# KiCad board d-lev-io.kicad_pcb (continued)
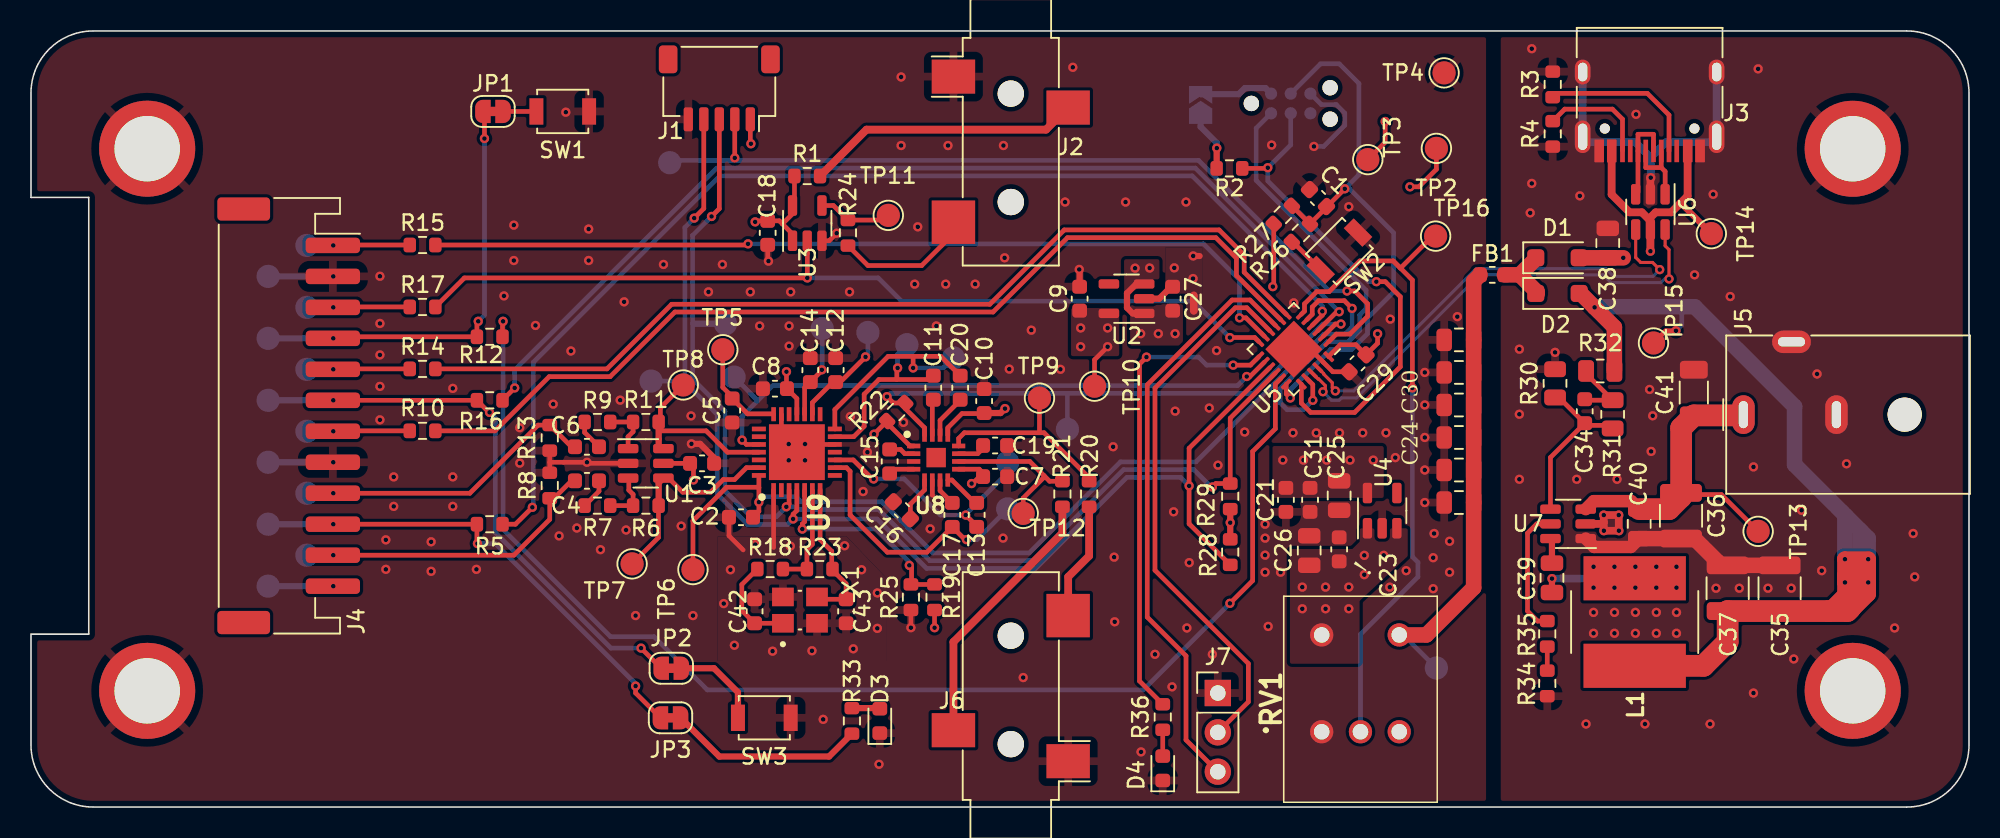
[diagram p0: board, top side]
## Footprints (pads in the part's own frame, mm; a bottom-side part is the same pattern mirrored in y, then rotated)
BarrelJack_CUI_PJ-059A
  round 2.2 hole 2.2 unplated: (0,-10.4)
  oval 2.5x1.45 hole 1.75x0.6: 1(0,0) 2(0,-6)
  oval 1.45x2.5 hole 0.6x1.75: 3(4.7,-3.1)
C_0603_1608Metric
  rrect 0.9x0.95 smd: 1(-0.775,0) 2(0.775,0)
C_0805_2012Metric
  rrect 1x1.45 smd: 1(-0.95,0) 2(0.95,0)
C_1206_3216Metric
  rrect 1.15x1.8 smd: 1(-1.475,0) 2(1.475,0)
C_1210_3225Metric
  rrect 1.15x2.7 smd: 1(-1.475,0) 2(1.475,0)
D_SOD-123F
  rrect 1.1x1.1 smd: 1(-1.4,0) 2(1.4,0)
Jack_3.5mm_CUI_SJ-3523-SMT_Horizontal
  round 1.7 hole 1.7 unplated: (0,2.5) (0,-4.5)
  rect 2.8x2.2 smd: R(3.7,1.6) S(-3.7,3.6)
  rect 2.8x2.8 smd: T(-3.7,-5.8)
JST_PH_S12B-PH-SM4-TB_1x12-1MP_P2.00mm_Horizontal
  rrect 1x3.5 smd: 1(-11,2.85) 2(-9,2.85) 3(-7,2.85) 4(-5,2.85) 5(-3,2.85) 6(-1,2.85) 7(1,2.85) 8(3,2.85) 9(5,2.85) 10(7,2.85) 11(9,2.85) 12(11,2.85)
  rrect 1.5x3.4 smd: MP1(-13.35,-2.9) MP2(13.35,-2.9)
JST_SH_SM05B-SRSS-TB_1x05-1MP_P1.00mm_Horizontal
  rrect 0.6x1.55 smd: 1(-2,2) 2(-1,2) 3(0,2) 4(1,2) 5(2,2)
  rrect 1.2x1.8 smd: MP(-3.3,-1.875) MP(3.3,-1.875)
L_0603_1608Metric
  rrect 0.875x0.95 smd: 1(-0.787,0) 2(0.787,0)
L_Bourns_SRN8040TA
  rect 2.85x6.6 smd: 1(-2.825,0) 2(2.825,0)
LED_0603_1608Metric
  rrect 0.875x0.95 smd: 1(-0.787,0) 2(0.787,0)
NetTie-2_SMD_Pad0.5mm
  round 0.5 smd: 1(-0.5,0) 2(0.5,0)
PinHeader_1x03_P2.54mm_Vertical
  rect 1.7x1.7 hole 1: 1(0,0)
  oval 1.7x1.7 hole 1: 2(0,-2.54) 3(0,-5.08)
QFN50P300X300X80-17N
  rect 0.85x0.3 smd: 1(-1.45,0.75) 2(-1.45,0.25) 3(-1.45,-0.25) 4(-1.45,-0.75) 9(1.45,-0.75) 10(1.45,-0.25) 11(1.45,0.25) 12(1.45,0.75)
  rect 0.3x0.85 smd: 5(-0.75,-1.45) 6(-0.25,-1.45) 7(0.25,-1.45) 8(0.75,-1.45) 13(0.75,1.45) 14(0.25,1.45) 15(-0.25,1.45) 16(-0.75,1.45)
  rect 1.25x1.25 smd: 17(0,0)
QFN50P500X500X90-29N-D
  rrect 0.9x0.9 smd: (-1.12,1.12) (-1.12,0) (-1.12,-1.12) (0,1.12) (0,0) (0,-1.12) (1.12,1.12) (1.12,0) (1.12,-1.12)
  rect 0.9x0.3 smd: 1(-2.45,1.5) 2(-2.45,1) 3(-2.45,0.5) 4(-2.45,0) 5(-2.45,-0.5) 6(-2.45,-1) 7(-2.45,-1.5) 15(2.45,-1.5) 16(2.45,-1) 17(2.45,-0.5) 18(2.45,0) 19(2.45,0.5) 20(2.45,1) 21(2.45,1.5)
  rect 0.3x0.9 smd: 8(-1.5,-2.45) 9(-1,-2.45) 10(-0.5,-2.45) 11(0,-2.45) 12(0.5,-2.45) 13(1,-2.45) 14(1.5,-2.45) 22(1.5,2.45) 23(1,2.45) 24(0.5,2.45) 25(0,2.45) 26(-0.5,2.45) 27(-1,2.45) 28(-1.5,2.45)
  rect 3.6x3.6 smd: 29(0,0)
QFN-24-1EP_4x4mm_P0.5mm_EP2.6x2.6mm
  rrect 1.05x1.05 smd: (-0.65,0.65) (-0.65,-0.65) (0.65,0.65) (0.65,-0.65)
  rrect 0.825x0.25 smd: 1(-1.938,1.25) 2(-1.937,0.75) 3(-1.938,0.25) 4(-1.938,-0.25) 5(-1.937,-0.75) 6(-1.938,-1.25) 13(1.938,-1.25) 14(1.937,-0.75) 15(1.938,-0.25) 16(1.938,0.25) 17(1.937,0.75) 18(1.938,1.25)
  rrect 0.25x0.825 smd: 7(-1.25,-1.938) 8(-0.75,-1.937) 9(-0.25,-1.938) 10(0.25,-1.938) 11(0.75,-1.937) 12(1.25,-1.938) 19(1.25,1.938) 20(0.75,1.937) 21(0.25,1.938) 22(-0.25,1.938) 23(-0.75,1.937) 24(-1.25,1.938)
  rect 2.6x2.6 smd: 25(0,0)
R_0603_1608Metric
  rrect 0.8x0.95 smd: 1(-0.825,0) 2(0.825,0)
R_0805_2012Metric
  rrect 1.025x1.4 smd: 1(-0.912,0) 2(0.912,0)
RK09711110EL
  round 1.5 hole 1: 1(0,0) 2(0,2.5) 3(0,5) 4(-6.25,0) 5(-6.25,5)
SMTSO-M3
  round 6.2 hole 4.22: 1(0,0)
SolderJumper-2_P1.3mm_Bridged_RoundedPad1.0x1.5mm
  custom 1x1.5 smd: 1(-0.65,0) 2(0.65,0)
SolderJumper-2_P1.3mm_Open_TrianglePad1.0x1.5mm
  custom 1.5x1.5 smd: 1(-0.725,0)
  custom 1.15x1.5 smd: 2(0.725,0)
SOT-23-5
  rrect 1.325x0.6 smd: 1(-1.137,0.95) 2(-1.137,0) 3(-1.137,-0.95) 4(1.137,-0.95) 5(1.137,0.95)
SOT-23-6
  rrect 1.325x0.6 smd: 1(-1.137,0.95) 2(-1.137,0) 3(-1.137,-0.95) 4(1.137,-0.95) 5(1.137,0) 6(1.137,0.95)
SW_SPST_B3U-1000P
  rect 0.9x1.7 smd: 1(-1.7,0) 2(1.7,0)
Tag-Connect_TC2030-IDC-NL_2x03_P1.27mm_Vertical
  round 0.991 hole 0.991 unplated: (-2.54,0) (2.54,-1.016) (2.54,1.016)
  round 0.787 smd: 1(-1.27,-0.635) 2(-1.27,0.635) 3(0,-0.635) 4(0,0.635) 5(1.27,-0.635) 6(1.27,0.635)
TestPoint_Pad_D1.5mm
  round 1.5 smd: 1(0,0)
USB_C_Receptacle_HRO_TYPE-C-31-M-12
  round 0.65 hole 0.65 unplated: (-2.89,2.6) (2.89,2.6)
  rect 0.6x1.45 smd: A1(-3.25,4.045) A4(-2.45,4.045) A9(2.45,4.045) A12(3.25,4.045) B1(3.25,4.045) B4(2.45,4.045) B9(-2.45,4.045) B12(-3.25,4.045)
  rect 0.3x1.45 smd: A5(-1.25,4.045) A6(-0.25,4.045) A7(0.25,4.045) A8(1.25,4.045) B5(1.75,4.045) B6(0.75,4.045) B7(-0.75,4.045) B8(-1.75,4.045)
  oval 1x2.1 hole 0.6x1.7: S1(-4.32,3.13) S1(4.32,3.13)
  oval 1x1.6 hole 0.6x1.2: S1(-4.32,-1.05) S1(4.32,-1.05)
XTAL_7M-50.000MAAJ-T
  rect 1.2x1.4 smd: 1(-0.85,1.1) 2(-0.85,-1.1) 3(0.85,-1.1) 4(0.85,1.1)

## Nets
+3.3VA: C3.2 C7.1 C8.2 C9.2 C10.1 R19.1 R22.2 TP10.1 U1.5 U2.5 U8.1 U8.9 U8.13 U9.18
+3V3: C21.2 C25.2 C29.2 C31.2 JP4.1 R2.1 R27.1 R28.2 R29.2 RV1.3 TP2.1 U4.5 U5.24
+12V: C36.1 C40.1 C41.1 J5.1 TP13.1 U7.3
GND: C1.1 C2.1 C3.1 C5.2 C7.2 C8.1 C9.1 C10.2 C12.1 C14.1 C16.1 C18.1 C19.2 C21.1 C22.1 C23.1 C24.1 C25.1 C26.1 C27.1 C28.1 C29.1 C30.1 C31.1 C32.1 C33.1 C35.2 C36.2 C37.2 C38.1 C40.2 C41.2 C42.2 C43.2 D3.1 D4.1 H1.1 H2.1 H3.1 H4.1 J1.5 J2.S J3.A1 J3.A12 J3.B1 J3.B12 J3.S1 J4.2 J4.8 J5.2 J5.3 J6.S J7.1 J8.5 NT1.1 NT1.2 R3.1 R4.1 R8.2 R13.2 R25.1 R30.2 R34.2 RV1.1 SW1.1 SW2.1 SW3.1 TP4.1 TP35.1 TP36.1 U1.2 U2.2 U3.3 U4.2 U5.23 U5.25 U6.2 U7.1 U8.3 U8.6 U9.1 U9.12 U9.20 U9.29 X1.2 X1.4
VBUS: C38.2 D1.2 J3.A4 J3.A9 J3.B4 J3.B9 TP14.1 U6.5
VDD: C18.2 C23.2 C26.2 C27.2 J1.1 J4.12 R1.1 RV1.4 TP3.1 TP32.1 U2.1 U2.3 U3.1 U3.5 U4.1 U4.3
/Buck/VOUT: C35.1 C37.1 D2.2 L1.2 R32.1 TP15.1
/DAC/DAC.XI: C43.1 R23.1 U9.7 X1.3
/DAC/DAC.XO: R18.2 R23.2 U9.6
/DAC/DAC_1V2: C5.1 TP5.1 U9.21
/DAC/DAC_GPIO: TP26.1 U5.14 U9.24
/DAC/DAC_RESET: C2.2 TP6.1 U5.5 U9.28
/DAC/HPA_SHDN: R22.1 TP21.1 U5.2 U8.16
/DAC/IN_BAL.L+: C11.2 U8.15
/DAC/IN_BAL.L-: C20.2 U8.14
/DAC/IN_BAL.R+: C17.2 U8.7
/DAC/IN_BAL.R-: C13.2 U8.8
/DAC/OUT_BAL.L+: C11.1 TP19.1 U9.13
/DAC/OUT_BAL.L-: C20.1 TP20.1 U9.14
/DAC/OUT_BAL.R+: C17.1 TP18.1 U9.9
/DAC/OUT_BAL.R-: C13.1 TP17.1 U9.10
/DAC/OUT_SE_L: R20.2 TP9.1 U8.12
/DAC/OUT_SE_R: R21.2 TP12.1 U8.10
/DAC/SCL: J1.3 R29.1 TP25.1 U5.16 U9.3
/DAC/SDA: J1.4 R28.1 TP24.1 U5.15 U9.4
/DAC/SPDIF1: R11.2 TP8.1 U1.6 U9.25
/DAC/SPDIF2: R6.2 TP7.1 U1.4 U9.27
/SAMD11/CV_EN: J1.2 TP1.1 U5.1
/SAMD11/JTAG.SWCLK: J8.4 R2.2 U5.19
/SAMD11/JTAG.SWDIO: J8.2 U5.20
/SAMD11/PTC_X2Y8: J7.3 U5.9
/SAMD11/PTC_X3Y9: J7.2 U5.10
/SAMD11/STATUS_LED: R36.2 U5.13
/SAMD11/USB.DN: U5.21 U6.6
/SAMD11/USB.DP: U5.22 U6.4
/SAMD11/VOLUME_POT: RV1.2 TP16.1 U5.6
/SAMD11/~{RST}: C1.2 J8.3 R26.1 R27.2 U5.18
/UINN: J3.A7 J3.B7 U6.1
/UINP: J3.A6 J3.B6 U6.3
acal_btn: J4.4 JP1.1 R12.2 TP34.1
midi_from_fpga_3v: R17.2 U3.2 U5.12
midi_to_fpga_3v: R15.2 U5.11
mute_btn: J4.6 JP2.1 R16.2 TP30.1
mute_led: J4.10 JP3.1 R5.2 TP29.1
spdif_line: C6.2 J4.9 R13.1 TP27.1
spdif_mon: C4.2 J4.11 R8.1 TP33.1
SWITCH_LOW: C22.2 C24.2 C28.2 C30.2 C32.2 C33.2 FB1.2 RV1.5 TP39.1
uart_rx_3v: R10.2 U5.8
uart_tx_3v: R14.2 U5.7
Net-(C4-Pad1): C4.1 R7.2
Net-(C6-Pad1): C6.1 R9.2
Net-(C34-Pad1): C34.1 R31.1 R32.2
Net-(C42-Pad1): C42.1 R18.1 X1.1
Net-(D1-K): D1.1 D2.1 FB1.1
Net-(D3-A): D3.2 R33.1
Net-(D4-A): D4.2 R36.1
Net-(J2-PadR): J2.R R1.2
Net-(J2-PadT): J2.T R24.2
Net-(J3-CC1): J3.A5 R3.2
Net-(J3-CC2): J3.B5 R4.2
Net-(J4-Pin_1): J4.1 R15.1 TP37.1
Net-(J4-Pin_3): J4.3 R17.1 TP28.1
Net-(J4-Pin_5): J4.5 R14.1 TP31.1
Net-(J4-Pin_7): J4.7 R10.1 TP38.1
Net-(J6-PadR): J6.R R21.1
Net-(J6-PadT): J6.T R20.1
Net-(J8-Pin_1): J8.1 JP4.2
Net-(JP1-B): JP1.2 SW1.2
Net-(JP2-B): JP2.2 SW3.2
Net-(JP3-B): JP3.2 R33.2
Net-(R6-Pad1): R6.1 R7.1 U1.3
Net-(R11-Pad1): R9.1 R11.1 U1.1
Net-(R24-Pad1): R24.1 TP11.1 U3.4
Net-(R26-Pad2): R26.2 SW2.2
Net-(R34-Pad1): R34.1 R35.2
Net-(U5-PA04): R16.1 U5.3
Net-(U5-PA05): R5.1 U5.4
Net-(U5-PA27): R12.1 U5.17
Net-(U7-BOOT): C39.1 U7.6
Net-(U7-EN): R35.1 U7.5
Net-(U7-FB): C34.2 R30.1 R31.2 U7.4
Net-(U7-SW): C39.2 L1.1 U7.2
Net-(U8-BIAS): C19.1 U8.11
Net-(U8-C1N): C15.2 U8.4
Net-(U8-C1P): C15.1 U8.2
Net-(U8-PVSS): C16.2 U8.5
Net-(U9-ADDR): R19.2 R25.2 U9.5
Net-(U9-VREF): C12.2 TP23.1 U9.16
Net-(U9-VREG): C14.2 TP22.1 U9.17

Pads without a net: J1 MP; J3 A8 B8; J4 MP1 MP2; J8 6; U2 4; U4 4; U8 17; U9 2 8 11 15 19 22 23 26

## Via types
v1: diameter 0.6, hole 0.3, Top to Bottom, 310 vias

## Routing (per net, layer and track width the routed paths; a pad name or vN(x,y) marks a point on that pad's centre or on a via; arc(x,y) is an arc through that point)
+3.3VA: length 20.4
  Top w0.3: C3.2 U1.5 ; v1(60.66,20.88) 60.73,20.88 61.41,21.56 61.16,21.81 59.83,21.81 ; TP10.1 68.6,28.88 v1(69.44,29.72) ; R19.1 v1(58.28,11.58) ; 42.73,21.97 v1(42.73,21.12) ; 55.21,24.92 v1(54.37,24.07) ; U9.18 49.4,26.37 C8.2 ; 61.41,25.4 60.04,25.4 59.13,24.49 59.13,24.01 ; 48.72,27.04 v1(48.72,28.11) ; 56.93,23.31 56.69,23.31 55.21,24.79
  Top w0.4: C10.1 62.53,25.44 v1(62.82,25.72)
  vias: v1(67.7,30.93) v1(67.7,29.72) v1(69.44,30.93)
+3V3: length 32.2
  Top w0.3: v1(88.94,40.04) 89.51,40.04 90.64,41.17 TP2.1 ; v1(86.85,30.55) 86.85,29.95 C29.2 85.45,29.85 84.44,29.85 83.7,29.11 U5.24 ; R27.1 80.15,33.66 v1(80.09,33.6)
  Top w0.4: R2.1 76.47,42.54 v1(76.48,42.54) ; R28.2 v1(77.35,18.36) 77.35,19.23
  In2.Cu w0.3: RV1.3 89.49,6.11 89.49,18.5
  Bottom w0.4: JP4.1 75.44,43.92 76.48,42.88 v1(76.48,42.54)
  vias: v1(80.74,22.4) v1(82.07,22.4) v1(83.57,22.4) v1(85.07,22.4) v1(86.57,22.4)
+12V: length 21.6
  Top w0.3: 106.55,20.17 109.02,20.17 TP13.1
  Top w0.8: C40.1 103.21,19.75 100.79,19.75 U7.3
  Top w1.4: C40.1 105.64,19.23 106.42,20.01 C36.1 106.43,20.29 106.43,24.47 C41.1 110.4,25.28 J5.1
GND: length 80
  Top w0.3: 47.9,16.76 U9.1 ; C18.1 47.51,35.3 v1(47.56,35.25) ; 33.46,22.26 v1(35.86,22.26) 35.93,22.19 U1.2 ; 33.46,22.26 R13.2 ; 33.46,22.26 R8.2 ; 82.51,29.56 U5.23 83.96,28.1 C29.1 ; 58.14,20.14 58.13,20.15 58.13,21.11 ; R25.1 v1(56.75,11.58) ; U9.12 49.9,23.41 ; U3.3 51.48,36.56 v1(51.96,37.05) ; C2.1 45.02,17.51 45.93,16.6 ; U9.20 48.4,23.91
  Top w0.4: U2.2 72.77,32.82 73.54,33.6 ; C3.1 44.06,22.55 43.15,23.45 v1(42.6,23.45) ; 75.37,35.57 74.97,35.57 ; v1(67.61,34.71) 67.63,34.68 C9.1
  Top w0.5: v1(104.47,40.64) 104.45,40.61 U6.2
  Top w0.8: C40.2 103.19,16.79 100.81,16.79 U7.1 ; 73.54,33.6 C27.1
  Top w1: C40.2 C36.2 107.29,17.33 108.77,15.85 108.77,15.6 ; C35.2 C37.2
  In1.Cu w1.4: 95.54,34.36 93.04,34.36
  Bottom w0.3: J8.5 83.22,45.35 84.18,45.35 84.73,44.8 84.73,44.02 83.37,42.65 v1(82.74,42.65)
  Bottom w0.4: TP35.1 v1(19.5,34.26) ; TP36.1 v1(19.5,22.26)
  Bottom w0.5: 104.47,41.93 103.47,42.93 100.42,42.93 J3.S1 J3.S1 ; 104.47,41.93 v1(104.47,40.64) ; 104.47,41.93 105.47,42.93 108.37,42.93 J3.S1 J3.S1
  vias: v1(22.5,34.27) v1(22.5,31.22) v1(22.5,29.19) v1(22.5,27.16) v1(22.5,25) v1(22.89,17.25) v1(22.89,15.35) v1(23.39,21.31) v1(23.39,19.41) v1(25.81,17.12) v1(25.81,15.22) v1(27.2,27.03) v1(27.2,21.31) v1(27.2,19.41) v1(28.73,15.35) v1(30.51,33) v1(31.14,37.57) v1(31.14,35.28) v1(31.52,24.49) v1(31.52,22.2) v1(32.54,31.09) v1(33.68,26.01) v1(34.06,17.5) v1(34.49,44.86) v1(34.82,29.44) v1(35.2,18.01) v1(35.97,37.32) v1(35.97,35.28) v1(36.73,16.62) v1(38,26.27) v1(38.25,32.62) v1(38.38,17.89) v1(38.99,12.36) v1(40.79,35.03) v1(41.94,18.14) v1(42.57,25.25) v1(42.69,12.36) v1(43.69,33.26) v1(44.59,35.03) v1(44.68,13.14) v1(45.11,15.32) v1(45.36,10.44) v1(46.39,33.26) v1(46.71,16.95) v1(46.99,31.06) v1(47.83,10.06) v1(48.89,31.06) v1(48.89,29.76) v1(48.87,23.43) v1(48.87,22.38) v1(48.99,33.26) v1(48.97,16.84) v1(49.92,23.43) v1(49.92,22.38) v1(50.37,10.09) v1(51.09,5.66) v1(52.48,16.87) v1(52.79,33.26) v1(52.85,25.21) v1(53.04,10.22) v1(53.57,15.32) v1(53.67,20.37) v1(53.95,22.91) v1(54.58,13.82) v1(54.58,11.54) v1(54.69,2.76) v1(56.12,47.13) v1(56.12,42.71) v1(56.27,24.83) v1(56.99,33.76) v1(57.19,37.46) v1(57.99,17.96) v1(58.39,31.06) v1(58.99,33.76) v1(59.14,42.71) v1(60.89,33.76) v1(62.69,17.36) v1(62.72,42.71) v1(62.79,35.46) v1(63.09,28.27) v1(63.99,8.36) v1(64.52,30.79) v1(66.39,28.26) v1(66.69,39.06) v1(67.19,47.76) v1(69.79,23.26) v1(69.86,16.13) v1(69.89,11.96) v1(70.59,39.06) v1(71.59,3.56) v1(72.49,9.86) v1(73.59,7.76) v1(73.69,19.06) v1(73.74,34.81) v1(73.79,25.56) v1(74.49,39.06) v1(74.55,11.56) v1(74.7,15.78) v1(74.96,35.58) v1(74.95,34.12) v1(75.99,25.76) v1(76.19,9.86) v1(76.47,29.47) v1(76.56,22.07) v1(78.28,24.21) v1(79.59,18.26) v1(79.59,17.36) v1(79.59,16.26) v1(79.59,15.16) v1(79.79,11.66) v1(80.02,42.74) v1(80.59,15.16) v1(81.39,24.16) v1(81.44,32.55) v1(82.89,24.16) v1(84.39,24.16) v1(84.99,38.76) v1(85.89,24.16) v1(87.39,24.16) v1(87.67,31.5) v1(87.64,14.2) v1(87.99,22.56) v1(88.69,15.26) v1(89.89,28.06) v1(89.89,25.96) v1(89.89,23.86) v1(89.89,21.76) v1(89.89,19.66) v1(90.49,17.66) v1(90.44,16.1) v1(90.44,14.1) v1(91.49,17.16) v1(91.49,15.16) v1(91.99,31.66) v1(95.99,29.56) v1(95.99,25.36) v1(95.99,21.16) v1(96.69,38.36) v1(96.79,48.96) v1(96.79,40.26) v1(98.3,29.35) v1(99.69,21.16) v1(99.89,39.46) v1(100.29,5.36) v1(100.78,12.57) v1(100.78,11.22) v1(102.13,12.57) v1(102.13,11.22) v1(102.29,21.16) v1(103.48,12.57) v1(103.48,11.22) v1(103.52,44.72) v1(104.09,5.36) v1(104.39,26.96) v1(104.49,22.96) v1(104.59,25.26) v1(104.83,12.57) v1(104.83,11.22) v1(106.13,12.57) v1(106.13,11.22) v1(107.29,34.36) v1(108.29,5.36) v1(108.49,39.56) v1(108.68,14.13) v1(109.59,32.96) v1(110.18,14.13) v1(111.09,21.96) v1(111.09,7.36) v1(111.39,47.66) v1(112.03,14.13) v1(113.53,14.13) v1(113.69,9.56) v1(114.19,19.16) v1(115.19,27.96) v1(115.49,15.26) v1(117.09,22.16) v1(120.19,11.56) v1(121.39,17.66) v1(121.49,14.86)
VBUS: length 22.2
  Top w0.4: TP14.1 106.41,38.98 106.38,38.98
  Top w0.5: U6.5 104.45,38.06 104.78,38.4 105.79,38.4 106.85,39.45 J3.A4 ; U6.5 104.45,37.85 103.89,38.4 103.1,38.4 101.95,39.55 J3.A9 ; U6.5 v1(104.45,35.88)
  Top w1: v1(102.7,35.46) C38.2 D1.2
  In2.Cu w1: v1(104.45,35.88) 103.12,35.88 v1(102.7,35.46)
VDD: length 18.5
  Top w0.3: v1(46.7,37.78) 46.77,37.85 C18.2 48.26,37.85 48.46,37.65 ; 48.46,37.65 49.11,37 ; 48.46,37.65 49.24,38.42 R1.1 ; J1.1 46.39,42.86 v1(46.43,42.82) ; v1(87.34,44.26) 87.34,42.92 TP3.1
  Top w0.4: U2.3 71.28,33.77 70.69,33.17 70.69,32.24 71.06,31.87 U2.1
  Bottom w0.4: TP32.1 v1(19.5,14.26)
  vias: v1(71.21,34.79) v1(71.57,30.56) v1(72.15,34.8) v1(72.71,30.56) v1(73.79,30.56) v1(81.99,14.2) v1(81.99,12.8) v1(83.49,14.2) v1(83.49,12.8) v1(84.99,14.2) v1(84.99,12.8) v1(85.99,16.25) v1(85.99,15) v1(87.24,16.25)
/Buck/VOUT: length 81.7
  Top w0.3: TP15.1 105.44,30.75 v1(106.09,30.75)
  Top w1: v1(118.49,14.5) v1(118.49,16) v1(116.99,16) ; v1(118.49,14.5) 118.49,13.75 117.54,12.8 117.29,12.8 116.99,13.1 116.99,13.7 ; v1(118.49,14.5) v1(116.99,14.5) 116.99,15 ; v1(118.49,14.5) v1(116.99,16) ; 115.94,12.65 116.99,13.7 116.99,13.7 ; R32.1 102.12,30.98 v1(100.85,32.26) 99.95,33.16 ; v1(116.99,16) 116.99,15 ; 116.99,15 116.99,13.7
  Top w1.4: 117.49,14 117.29,13.8 117.29,12.8 117.15,12.65 C37.1 109.43,10.67 107.87,9.12 L1.2
  Bottom w0.3: 106.47,32.3 106.47,31.12 v1(106.09,30.75)
  Bottom w1: v1(116.99,16) 117.99,16 ; v1(116.99,16) v1(116.99,14.5) ; v1(116.99,16) 116.99,18.73 117.05,18.79 ; 117.99,16 v1(118.49,16) ; 117.99,16 117.99,17.85 ; 117.99,17.85 118.49,17.35 v1(118.49,16) ; 117.99,17.85 117.05,18.79 ; v1(116.99,14.5) v1(118.49,16) ; v1(116.99,14.5) v1(118.49,14.5) v1(118.49,16) ; 117.05,18.79 113.74,22.1 113.74,25.86 107.31,32.3 100.89,32.3 v1(100.85,32.26)
/DAC/DAC.XI: length 9.3
  Top w0.3: 51.64,15.41 51.64,16.52 50.9,17.27 U9.7 ; 51.7,15.29 52.57,14.42 C43.1 50.85,13.41
/DAC/DAC.XO: length 6.8
  Top w0.3: U9.6 50.4,16.96 50.05,16.61 R23.2 R18.2
/DAC/DAC_1V2: length 6.4
  Top w0.3: 45.22,26.49 44.62,27.09 TP5.1 ; C5.1 46.21,25.38 47.87,25.38 U9.21
/DAC/DAC_GPIO: length 40.1
  Top w0.3: U9.24 46.14,23.41 v1(45.86,23.69) ; v1(78.41,27.8) 78.62,27.8 U5.14
  Bottom w0.3: TP26.1 46.85,26.26 46.85,26.21 ; 46.85,26.21 45.85,25.21 45.86,25.19 v1(45.86,23.69) ; 46.85,26.21 47.85,27.21 77.82,27.21 v1(78.41,27.8)
/DAC/DAC_RESET: length 62.2
  Top w0.3: U5.5 82.64,31.81 82.64,32.28 83.05,32.69 84.71,32.69 v1(85.2,32.19) ; 46.95,20.62 46.95,19.09 C2.2 ; 46.95,20.62 U9.28 ; 46.95,20.62 46.92,20.65 44.86,20.65 42.69,18.48 TP6.1
  Bottom w0.3: v1(46.95,19.68) 47.29,20.03 49.34,20.03 49.67,19.71 54.88,19.71 58.18,16.4 64.38,16.4 70.26,22.28 75.14,22.28 83.39,30.53 84.75,30.53 85.2,30.98 v1(85.2,32.19)
/DAC/HPA_SHDN: length 38.6
  Top w0.3: 56.38,25.73 57.63,24.48 57.63,24.01 ; v1(84.49,31.18) 84.13,31.18 U5.2 ; v1(55.21,26.5) 55.62,26.09 R22.1
  Bottom w0.3: v1(84.49,31.18) 83.33,31.18 78.85,26.71 66.85,26.71 ; v1(55.21,26.5) 55.42,26.71 66.85,26.71 ; TP21.1 66.85,26.71
/DAC/IN_BAL.L+: length 2.2
  Top w0.3: 58.13,26.23 58.13,24.01
/DAC/IN_BAL.L-: length 2.8
  Top w0.3: 58.63,24.01 58.63,24.96 59.93,26.26
/DAC/IN_BAL.R+: length 1.8
  Top w0.3: 58.63,21.11 58.63,20.42 C17.2
/DAC/IN_BAL.R-: length 2.4
  Top w0.3: 60.87,19.64 59.4,21.11 59.13,21.11
/DAC/OUT_BAL.L+: length 11.4
  Top w0.3: U9.13 53.07,23.91 53.74,24.58 53.74,26.65 54.69,27.6 57.95,27.6 ; v1(55.89,28.35) 55.84,28.3 55.84,27.6
  Bottom w0.3: TP19.1 55.89,29.25 v1(55.89,28.35)
/DAC/OUT_BAL.L-: length 14.9
  Top w0.3: U9.14 51.85,25.66 55.29,29.1 58.67,29.1 C20.1 ; v1(56.89,28.35) 56.89,29.1
  Bottom w0.3: v1(56.89,28.35) 58.84,28.35 TP20.1
/DAC/OUT_BAL.R+: length 16.9
  Top w0.3: v1(60.33,17.27) 60.24,17.27 C17.1 57.78,16.45 55.23,16.45 52.83,18.86 52.83,21.68 52.6,21.91 U9.9
  Bottom w0.3: v1(60.33,17.27) 61.01,17.27 TP18.1
/DAC/OUT_BAL.R-: length 15.4
  Top w0.3: v1(54.35,21.18) 54.27,21.18 53.04,22.41 U9.10 ; v1(60.29,18.85) 60.99,18.14
  Bottom w0.3: TP17.1 62.99,21.6 60.29,18.89 v1(60.29,18.85) 58.66,18.85 56.32,21.18 54.35,21.18 v1(54.35,21.18)
/DAC/OUT_SE_L: length 12.5
  Top w0.3: 65.05,24.17 65.04,24.17 TP9.1 ; 65.05,24.17 60.2,24.17 59.83,23.8 U8.12 ; 65.05,24.17 65.34,24.17 68.25,21.26
/DAC/OUT_SE_R: length 10.2
  Top w0.3: TP12.1 63.99,19.95 65.34,21.29 65.34,21.39 ; R21.2 65.7,21.03 65.34,21.39 ; 65.34,21.39 64.42,22.31 U8.10
/DAC/SCL: length 75.1
  Top w0.3: v1(48.72,19.38) 48.9,19.56 U9.3 ; J1.3 44.39,38.63 v1(43.89,38.13) ; U5.16 77.35,25.11 R29.1 76.42,20.88 v1(76.19,20.66)
  Bottom w0.3: v1(76.19,20.66) 76.12,20.66 75,21.78 70.47,21.78 64.59,15.9 57.97,15.9 54.67,19.21 49.46,19.21 49.28,19.38 v1(48.72,19.38) 48.07,18.74 46.43,18.74 44.76,20.41 44.76,25.55 42.67,27.64 42.67,36.91 v1(43.89,38.13)
  Bottom w0.4: 42.72,31.22 42.74,31.2 TP25.1
/DAC/SDA: length 81.3
  Top w0.3: v1(49.15,18.6) 49.15,18.9 49.4,19.14 U9.4 ; v1(42.77,38.02) 43.39,38.64 J1.4 ; R28.1 74.69,18.29 v1(74.69,20.73) 74.69,23.16 U5.15
  Bottom w0.3: 42.17,27.75 42.17,27.43 44.26,25.34 44.26,20.21 46.22,18.24 48.8,18.24 v1(49.15,18.6) 54.57,18.6 57.76,15.4 64.8,15.4 70.68,21.28 74.14,21.28 v1(74.69,20.73) ; 42.17,27.75 42.17,27.5 TP24.1 ; 42.17,27.75 42.17,37.42 v1(42.77,38.02)
/DAC/SPDIF1: length 13.3
  Top w0.3: U9.25 44.92,22.91 43.55,24.29 40.48,24.29 40.48,23.76 ; R11.2 40.48,23.44 ; 40.59,24.97 40.59,25.77 TP8.1
  Top w0.4: 40.48,23.44 R11.2
/DAC/SPDIF2: length 13.6
  Top w0.3: U1.4 41.12,21.24 42.04,20.32 43.83,20.32 44.65,21.15 45.38,21.15 46.15,21.91 U9.27 ; 40.47,19.45 40.47,17.4 TP7.1
  Top w0.4: U1.4 40.48,20.93 R6.2
/SAMD11/CV_EN: length 55.3
  Top w0.3: U5.1 84.19,30.53 85.06,30.53 86.21,31.68 86.21,32.49 85.38,33.32 v1(84.88,33.32) ; v1(45.39,41.91) 45.39,44.4
  Bottom w0.3: v1(84.88,33.32) 83.74,33.32 75.31,41.75 45.55,41.75 v1(45.39,41.91) 45.23,41.75 41.34,41.75
/SAMD11/JTAG.SWCLK: length 31.9
  Top w0.3: v1(79.77,41.27) 79.73,41.23 R2.2 ; v1(86.77,33.92) 87.34,33.92 88.32,32.95 88.32,28.42 85.37,25.48 82.53,25.48 81.93,26.08 U5.19
  Bottom w0.3: v1(86.77,33.92) 86.27,33.92 79.77,40.42 v1(79.77,41.27) 81.25,42.75 J8.4
/SAMD11/JTAG.SWDIO: length 29.2
  Top w0.3: v1(82.67,26.26) 82.67,27.27 U5.20
  Bottom w0.3: v1(82.67,26.26) 82.06,25.65 81.02,25.65 80.57,26.09 80.57,27.01 83.59,30.03 84.96,30.03 85.7,30.78 85.7,31.77 86.11,32.18 86.11,33.37 79.02,40.46 79.02,43.83 J8.2
/SAMD11/PTC_X2Y8: length 38.1
  Top w0.3: J7.3 74.49,4.33 74.49,9.76 71.99,12.26 71.99,27.26 77.47,32.73 78.62,32.73 U5.9
/SAMD11/PTC_X3Y9: length 35.7
  Top w0.3: U5.10 78.42,32.23 77.68,32.23 72.49,27.05 72.49,15.28 78.52,9.26 78.52,6.79 J7.2
/SAMD11/STATUS_LED: length 30.9
  Top w0.3: v1(71.94,29.05) 71.49,28.6 71.49,8.13 R36.2 ; v1(77.54,28.53) 78.65,28.53 U5.13
  Bottom w0.3: v1(77.54,28.53) 75.82,28.53 75.3,29.05 v1(71.94,29.05)
/SAMD11/USB.DN: length 31.1
  Top w0.2: v1(83.33,26.81) 83.48,26.96 83.48,27.21 83.05,27.64 83.01,27.64 82.64,28.01 ; U6.6 105.4,36.23 105.65,35.98 v1(105.65,34.1)
  Bottom w0.2: v1(83.33,26.81) 83.73,26.41 83.73,26.41 83.88,26.26 84.37,26.26 84.52,26.41 85.49,26.41 93.44,34.36 101.4,34.36 101.9,33.86 105.13,33.86 105.36,34.1 v1(105.65,34.1)
/SAMD11/USB.DP: length 30.2
  Top w0.2: U6.4 103.5,35.48 103.82,35.16 104.58,35.16 v1(105.05,34.7) ; v1(84.13,26.86) 83.93,27.06 83.93,27.4 83.37,27.96 83.37,27.99 82.99,28.37
  Bottom w0.2: v1(84.13,26.86) 85.31,26.86 92.65,34.21 93.2,34.76 101.57,34.76 102.07,34.26 104.61,34.26 v1(105.05,34.7)
/SAMD11/VOLUME_POT: length 44
  Top w0.3: 87.86,35.26 85.7,35.26 83.72,33.27 82.92,33.27 82.14,32.49 82.14,32.02 U5.6 ; 87.86,35.26 89.09,34.02 v1(89.09,27.06) ; 87.86,35.26 88.33,34.79 90.39,36.86 TP16.1
  Bottom w0.3: v1(89.09,27.06) 89.09,16.16 89.46,15.8 89.46,14.86 85.75,11.15 RV1.2
/SAMD11/~{RST}: length 37.3
  Top w0.3: v1(84.73,39.92) 83.55,38.74 ; U5.18 80.96,26.67 v1(81.22,26.41) ; R27.2 R26.1 83.55,38.72
  Bottom w0.3: J8.3 83.17,47.98 84.38,47.98 85.65,46.71 85.65,40.83 v1(84.73,39.92) 85.04,39.92 87.88,37.07 87.88,33.25 86.2,31.57 86.2,30.57 85.17,29.53 83.82,29.53 81.22,26.93 v1(81.22,26.41)
/UINN: length 5
  Top w0.3: 105.15,41.28 104.15,41.28 J3.A7 ; 105.15,41.28 J3.B7 ; 105.15,41.28 105.4,41.03 U6.1
/UINP: length 5.8
  Top w0.3: J3.A6 104.65,43.43 103.65,43.43 J3.B6 103.65,39.71
acal_btn: length 28
  Top w0.3: 19.57,30.36 R12.2 28.76,31.28 v1(28.85,31.36) ; v1(29.25,43.16) 29.25,44.81
  Bottom w0.3: v1(28.85,31.36) 29.25,31.76 v1(29.25,43.16)
  Bottom w0.4: TP34.1 v1(19.5,30.26)
midi_from_fpga_3v: length 58
  Top w0.3: v1(77.32,30.31) 78.93,30.31 U5.12 ; R17.2 27.95,34.16 v1(50.07,34.16) 50.07,35.74 50.06,35.74 U3.2
  Bottom w0.3: v1(77.32,30.31) 74.97,32.66 56.15,32.66 54.65,34.16 v1(50.07,34.16)
midi_to_fpga_3v: length 57.4
  Top w0.3: U5.11 78.36,31.58 v1(77.95,31.58) ; v1(46.25,36.36) 46.17,36.29 R15.2
  Bottom w0.3: v1(77.95,31.58) 77.95,34.03 75.62,36.36 v1(46.25,36.36)
mute_btn: length 35.8
  Top w0.3: JP2.1 v1(39.35,10.26) ; 20.5,26.26 R16.2 29.54,25.48 v1(29.58,25.48)
  Bottom w0.3: v1(29.58,25.48) 29.95,25.11 29.95,17.72 37.41,10.26 v1(39.35,10.26)
  Bottom w0.4: TP30.1 v1(19.5,26.26)
mute_led: length 31.6
  Top w0.3: v1(28.8,17.01) 28.76,17.04 R5.2 J4.10 ; v1(39,7.81) 39,7.36 JP3.1
  Bottom w0.3: v1(39,7.81) 39,7.96 29.95,17.01 v1(28.8,17.01)
  Bottom w0.4: TP29.1 v1(19.5,18.26)
spdif_line: length 19.5
  Top w0.3: 34.86,23.26 R13.1 32.7,24.66 28.31,20.26 v1(19.5,20.26)
  Bottom w0.4: TP27.1 v1(19.5,20.26)
spdif_mon: length 19.6
  Top w0.3: v1(19.5,16.26) 31.15,16.26 33.46,18.57 R8.1 ; 33.73,19.93 34.86,21.06
  Bottom w0.4: TP33.1 v1(19.5,16.26)
SWITCH_LOW: length 29.5
  Top w1: RV1.5 90,11.11 93.05,14.16 C24.2 C30.2 93.05,33.95 FB1.2
  Bottom w0.3: TP39.1 88.51,11.11
uart_rx_3v: length 62.5
  Top w0.3: U5.8 77.75,34.32 77.75,35.43 76.42,36.76 66.85,36.76 62.05,31.96 41.53,31.96 37.35,27.79 33.42,27.79 29.92,24.29 R10.2
uart_tx_3v: length 61.5
  Top w0.3: R14.2 37.15,28.29 41.32,32.46 61.84,32.46 66.64,37.26 76.63,37.26 78.25,35.64 78.25,34.53 U5.7
Net-(C4-Pad1): length 2
  Top w0.3: C4.1 36.63,20.38 R7.2
Net-(C6-Pad1): length 2
  Top w0.3: C6.1 35.71,24.18 R9.2
Net-(C34-Pad1): length 4.2
  Top w0.3: 100.27,26.27 R31.1 100.3,27.98
Net-(C42-Pad1): length 6.1
  Top w0.3: R18.1 45.85,14.36 45.85,12.69 C42.1 X1.1
Net-(D1-K): length 4.2
  Top w1: FB1.1 96.02,34.36 ; 96.02,34.36 97.15,33.23 97.15,33.16 ; 96.02,34.36 97.05,35.4 D1.1
Net-(D3-A): length 1.8
  Top w0.4: R33.1 54.71,6.38
Net-(D4-A): length 1.7
  Top w0.3: R36.1 D4.2
Net-(J2-PadR): length 17.8
  Top w0.5: J2.R 65.47,43.73 53.88,43.73 R1.2
Net-(J2-PadT): length 8.1
  Top w0.3: R24.2 53.98,34.96 57.45,34.96 59.44,36.95
Net-(J3-CC1): length 10.1
  Top w0.3: 98.4,46.08 104.24,46.08 105.65,44.68 J3.A5
Net-(J3-CC2): length 7.1
  Top w0.3: R4.2 98.92,45.06 102,45.06 102.65,44.41 J3.B5
Net-(J4-Pin_1): length 6.7
  Top w0.3: R15.1 19.46,36.29
  Bottom w0.4: TP37.1 v1(19.5,36.26)
Net-(J4-Pin_3): length 6.7
  Top w0.3: R17.1 19.46,32.29
  Bottom w0.4: TP28.1 v1(19.5,32.26)
Net-(J4-Pin_5): length 6.7
  Top w0.3: R14.1 19.46,28.29
  Bottom w0.4: TP31.1 v1(19.5,28.26)
Net-(J4-Pin_7): length 6.7
  Top w0.3: R10.1 19.46,24.29
  Bottom w0.4: TP38.1 v1(19.5,24.26)
Net-(J6-PadR): length 17.3
  Top w0.5: J6.R 59.49,10.66 66.52,17.69 R21.1
Net-(J6-PadT): length 7.6
  Top w0.5: J6.T 66.89,14.86 68.25,16.21 R20.1
Net-(J8-Pin_1): length 4.9
  Bottom w0.4: JP4.2 75.47,46.02 77.9,46.02 78.3,46.42 79.62,46.42 J8.1
Net-(JP1-B): length 2.2
  Top w0.3: SW1.2 JP1.2
Net-(JP2-B): length 5.9
  Top w0.4: JP2.2 44.05,8.96 45.6,7.41 SW3.2
Net-(JP3-B): length 12.7
  Top w0.4: JP3.2 44.4,3.26 51.47,3.26 52.95,4.73
Net-(R6-Pad1): length 3.3
  Top w0.3: R7.1 R6.1 38.83,20.18 38.56,20.46 38.56,21.19
Net-(R11-Pad1): length 3.3
  Top w0.3: R9.1 R11.1 38.83,24.23 38.51,23.91 38.51,23.9 U1.1
Net-(R24-Pad1): length 4.4
  Top w0.3: 54.99,37.9 R24.1 51.75,38.84 U3.4
Net-(R26-Pad2): length 2.5
  Top w0.3: 81.38,36.49 SW2.2
Net-(R34-Pad1): length 1.6
  Top w0.3: R34.1 R35.2
Net-(U5-PA04): length 66.6
  Top w0.3: v1(84.37,31.98) 84.21,31.98 U5.3 ; v1(31.2,27.06) 30.41,26.28
  Bottom w0.3: v1(31.2,27.06) 31.2,28.22 44.22,41.25 75.1,41.25 v1(84.37,31.98)
Net-(U5-PA05): length 72.6
  Top w0.3: R5.1 31.25,18.26 v1(32.34,19.35) ; U5.4 83.29,31.75 v1(83.29,32.01)
  Bottom w0.3: v1(32.34,19.35) 32.4,19.41 32.4,28.72 44.43,40.75 74.89,40.75 83.29,32.36 v1(83.29,32.01)
Net-(U5-PA27): length 83.8
  Top w0.3: R12.1 30.41,31.33 v1(30.45,31.36) ; v1(77.33,13.15) 78.79,14.62 78.79,22.96 80.25,24.42 80.25,27.31 U5.17
  Bottom w0.3: v1(77.33,13.15) 71.74,7.56 43.63,7.56 40.19,11 37.37,11 30.45,17.93 v1(30.45,31.36)
Net-(U7-BOOT): length 1.5
  Top w0.4: C39.1 98.1,17.24
Net-(U7-EN): length 8.4
  Top w0.3: R35.1 97.17,12.01 96.52,12.65 96.52,17.68 97.12,18.28 97.58,18.28
  Top w0.4: U7.5 97.46,18.28
Net-(U7-FB): length 10.3
  Top w0.3: U7.4 98,22.57 C34.2 98.55,26.44 ; 101.81,24.64 100.35,24.64
Net-(U7-SW): length 8.5
  Top w0.4: C39.2 v1(98.1,14.75)
  Top w0.5: U7.2 101.34,18.28 101.44,18.38 ; 101.44,18.38 v1(101.44,18.85) v1(102.4,18.85) 102.4,17.85 v1(102.41,17.84) v1(101.44,17.84) ; 101.44,18.38 101.44,17.84 101.44,17.83
  Bottom w0.5: v1(98.1,14.75) 100.39,14.75 100.51,14.86
  vias: v1(100.78,15.51) v1(100.78,14.16) v1(102.13,15.51) v1(102.13,14.16) v1(103.48,15.51) v1(103.48,14.16) v1(104.83,15.51) v1(104.83,14.16) v1(106.13,15.51) v1(106.13,14.16)
Net-(U8-BIAS): length 1.7
  Top w0.3: 61.41,23.16 61.06,22.81 59.83,22.81
Net-(U8-C1N): length 1.5
  Top w0.3: 56.93,21.81 55.66,21.81 55.53,21.69
Net-(U8-C1P): length 1.7
  Top w0.3: 56.93,22.81 56.36,22.81 56.08,23.09 C15.1
Net-(U8-PVSS): length 2.9
  Top w0.3: 57.63,21.11 57.63,20.47 56.72,19.56 C16.2
Net-(U9-ADDR): length 13.3
  Top w0.3: v1(49.75,17.95) 49.75,18.27 49.9,18.42 U9.5 ; v1(56.65,15.6) 56.79,15.46 56.79,14.41 ; R25.2 R19.2
  Bottom w0.3: v1(49.75,17.95) 54.51,17.95 56.65,15.82 v1(56.65,15.6)
Net-(U9-VREF): length 6.6
  Top w0.3: 52.2,27.43 v1(53.82,29.06) ; U9.16 50.4,26.11 51.72,27.43
  Bottom w0.3: v1(53.82,29.06) 53.98,29.22 TP23.1
Net-(U9-VREG): length 6
  Top w0.3: U9.17 49.9,27.07 C14.2 51.01,28.18 v1(51.01,28.23)
  Bottom w0.3: TP22.1 51.03,28.26 v1(51.01,28.23)

## Copper pours and planes (outline as drawn; the poured copper is in the pictures)
+3.3VA on Top: 67.08,29.11 67.08,32.21 70.18,32.21 70.18,29.11
+3.3VA on In2.Cu: 40.74,8.16 40.74,32.25 70.79,32.25 70.79,8.12
+3V3 on Top: 87.25,19.96 80.07,19.96 80.07,23.31 87.25,23.31
+3V3 on In2.Cu: 75.18,17.56 75.18,43.59 91,43.59 90.99,17.57
GND on Top: 44.29,17.46 49.62,17.46 52.59,17.48 55.15,14.81 55.15,9.43 44.29,9.43
GND on Top: 73.16,33.15 73.16,36.12 75.53,36.12 75.53,33.15
GND on Top, Bottom, In1.Cu: 131.65,53.89 131.65,-35.85 -93.56,-35.85 -93.56,53.89
GND on Top, Bottom, In1.Cu, In2.Cu: 124.91,-1.71 94.36,-1.71 94.36,51.95 124.91,51.95
GND on Bottom: 131.55,62.46 131.55,-35.83 -93.66,-35.83 -93.66,62.46
VDD on Top: 72.41,34.07 70.51,32.99 70.5,35.37 72.78,35.37 72.78,34.07
VDD on Top: 85.7,18 85.7,17.13 85.22,16.66 81.2,16.66 81.2,9.25 85.69,9.25 85.69,13.3 88.8,16.2 88.8,18
VDD on Top: 70.89,29.79 70.89,32.47 74.3,32.47 74.3,29.79
VDD on In2.Cu: -0.95,-1.25 -0.95,53.68 93.84,53.68 93.84,-1.25
Net-(U7-SW) on Bottom: 102.99,16.39 106.76,16.39 106.76,13.26 100.06,13.26 100.06,16.39 100.79,16.39 100.79,19.56 102.99,19.56

Small or netless copper shapes (teardrops, artwork), in the pictures only: 1 on Top

## Text on the board
User.Drawings: PCB3D_TL_d-lev-io | PCB3D_BR_d-lev-io
F.Silkscreen: C24-C30 | !
